# Altium PCB Payload_PCB.PcbDoc
Units mm, origin at the board's own origin, x right, y up, seen from the top; angles counter-clockwise.
Board outline 96 x 96 mm, 4 copper layers (L1 - Top Layer, L2 - GND, L3 - GND, L4 - Bottom Layer), stack 1.586 mm thick; 84 components, 70 nets, 274 pads, 87 vias.
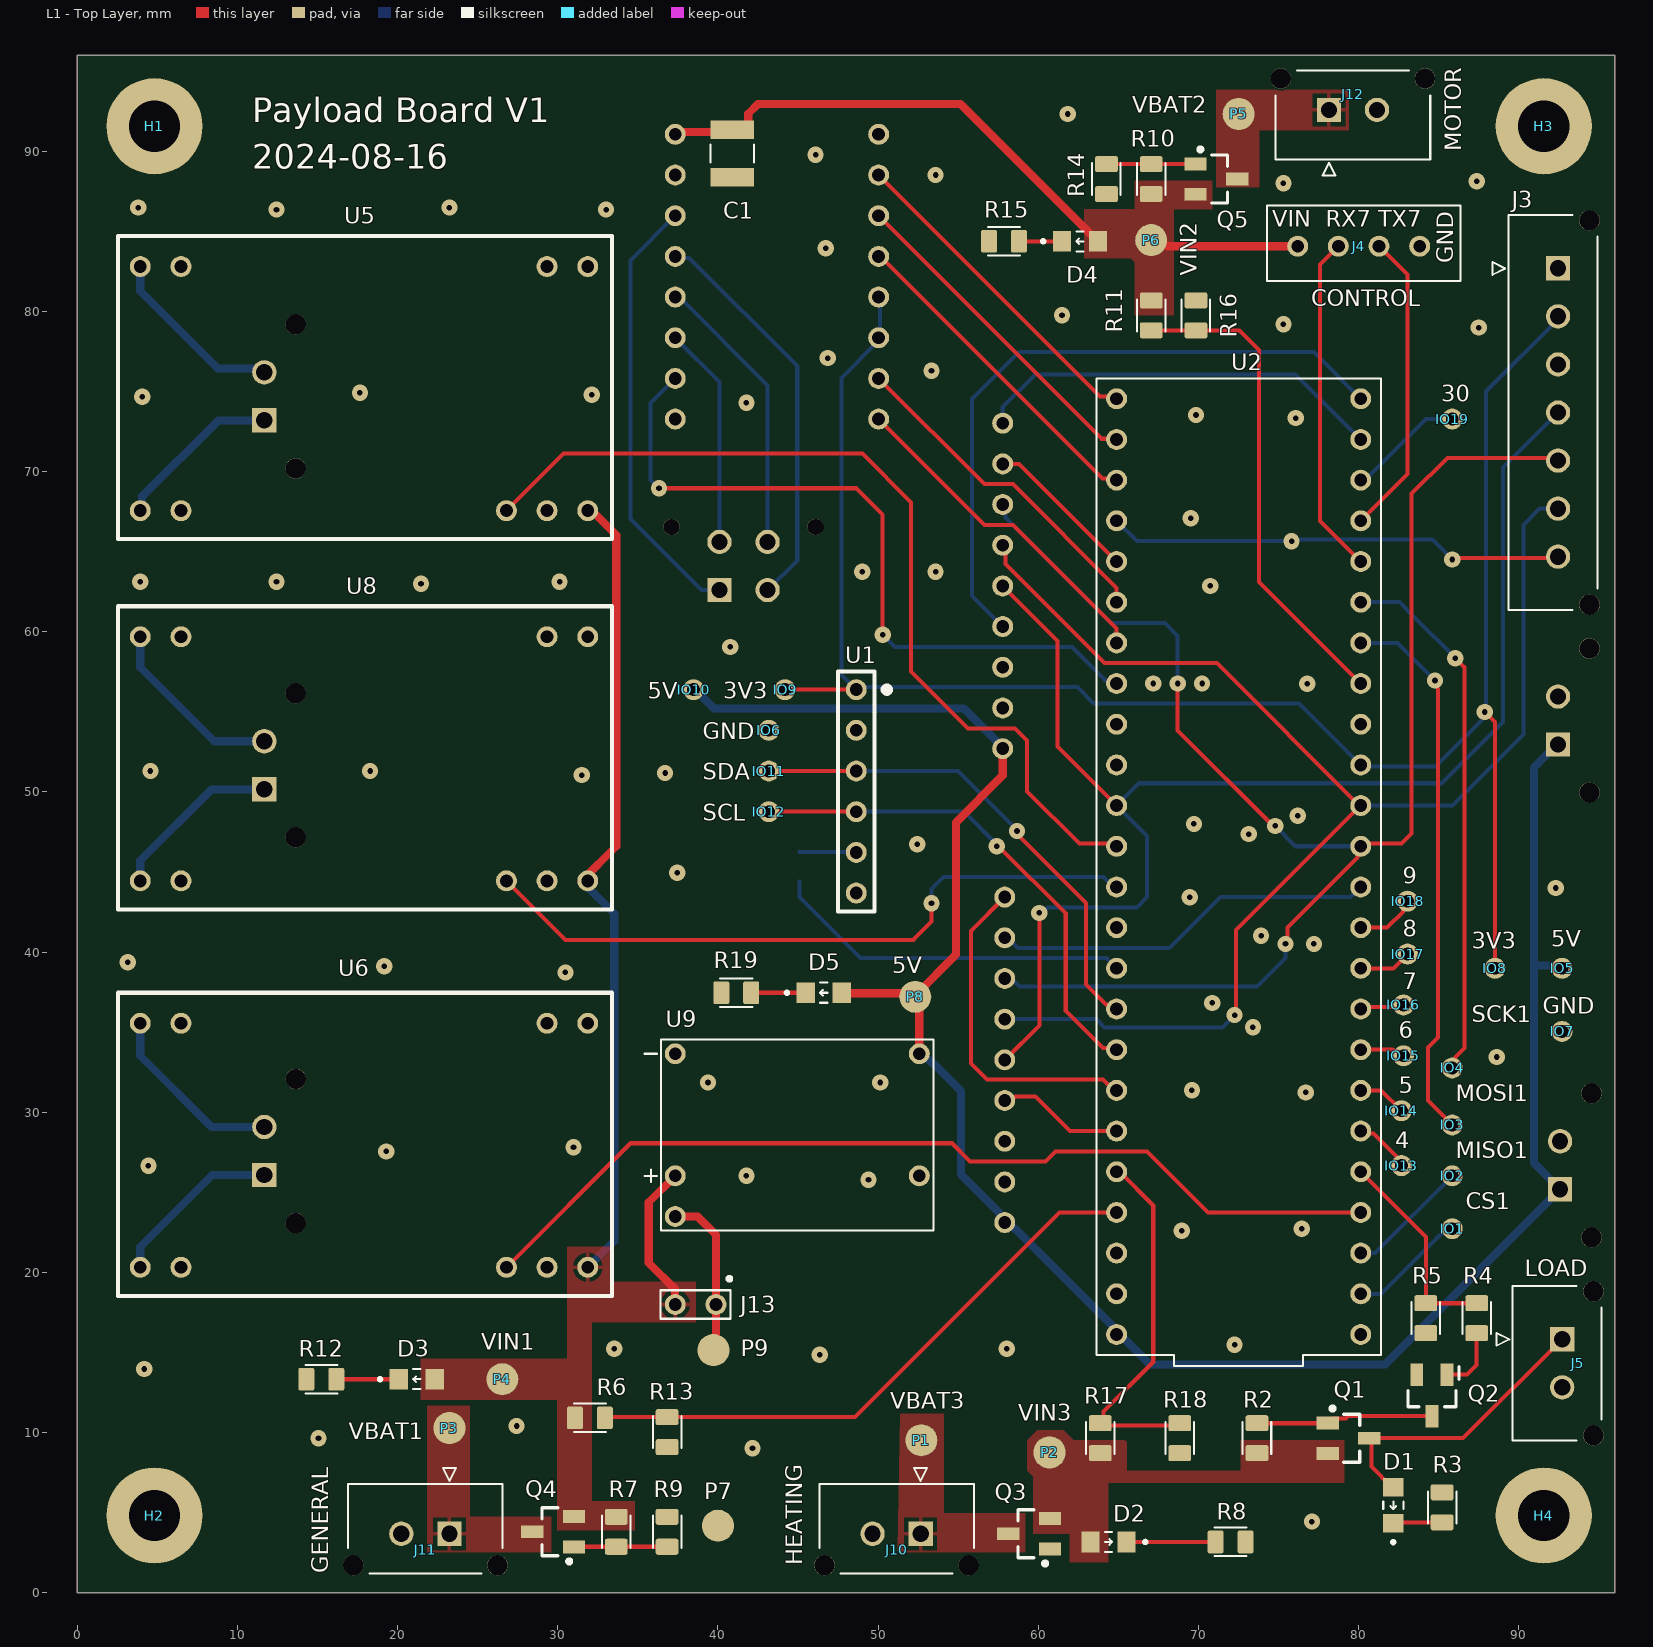
[diagram p0: L1 - Top Layer view]
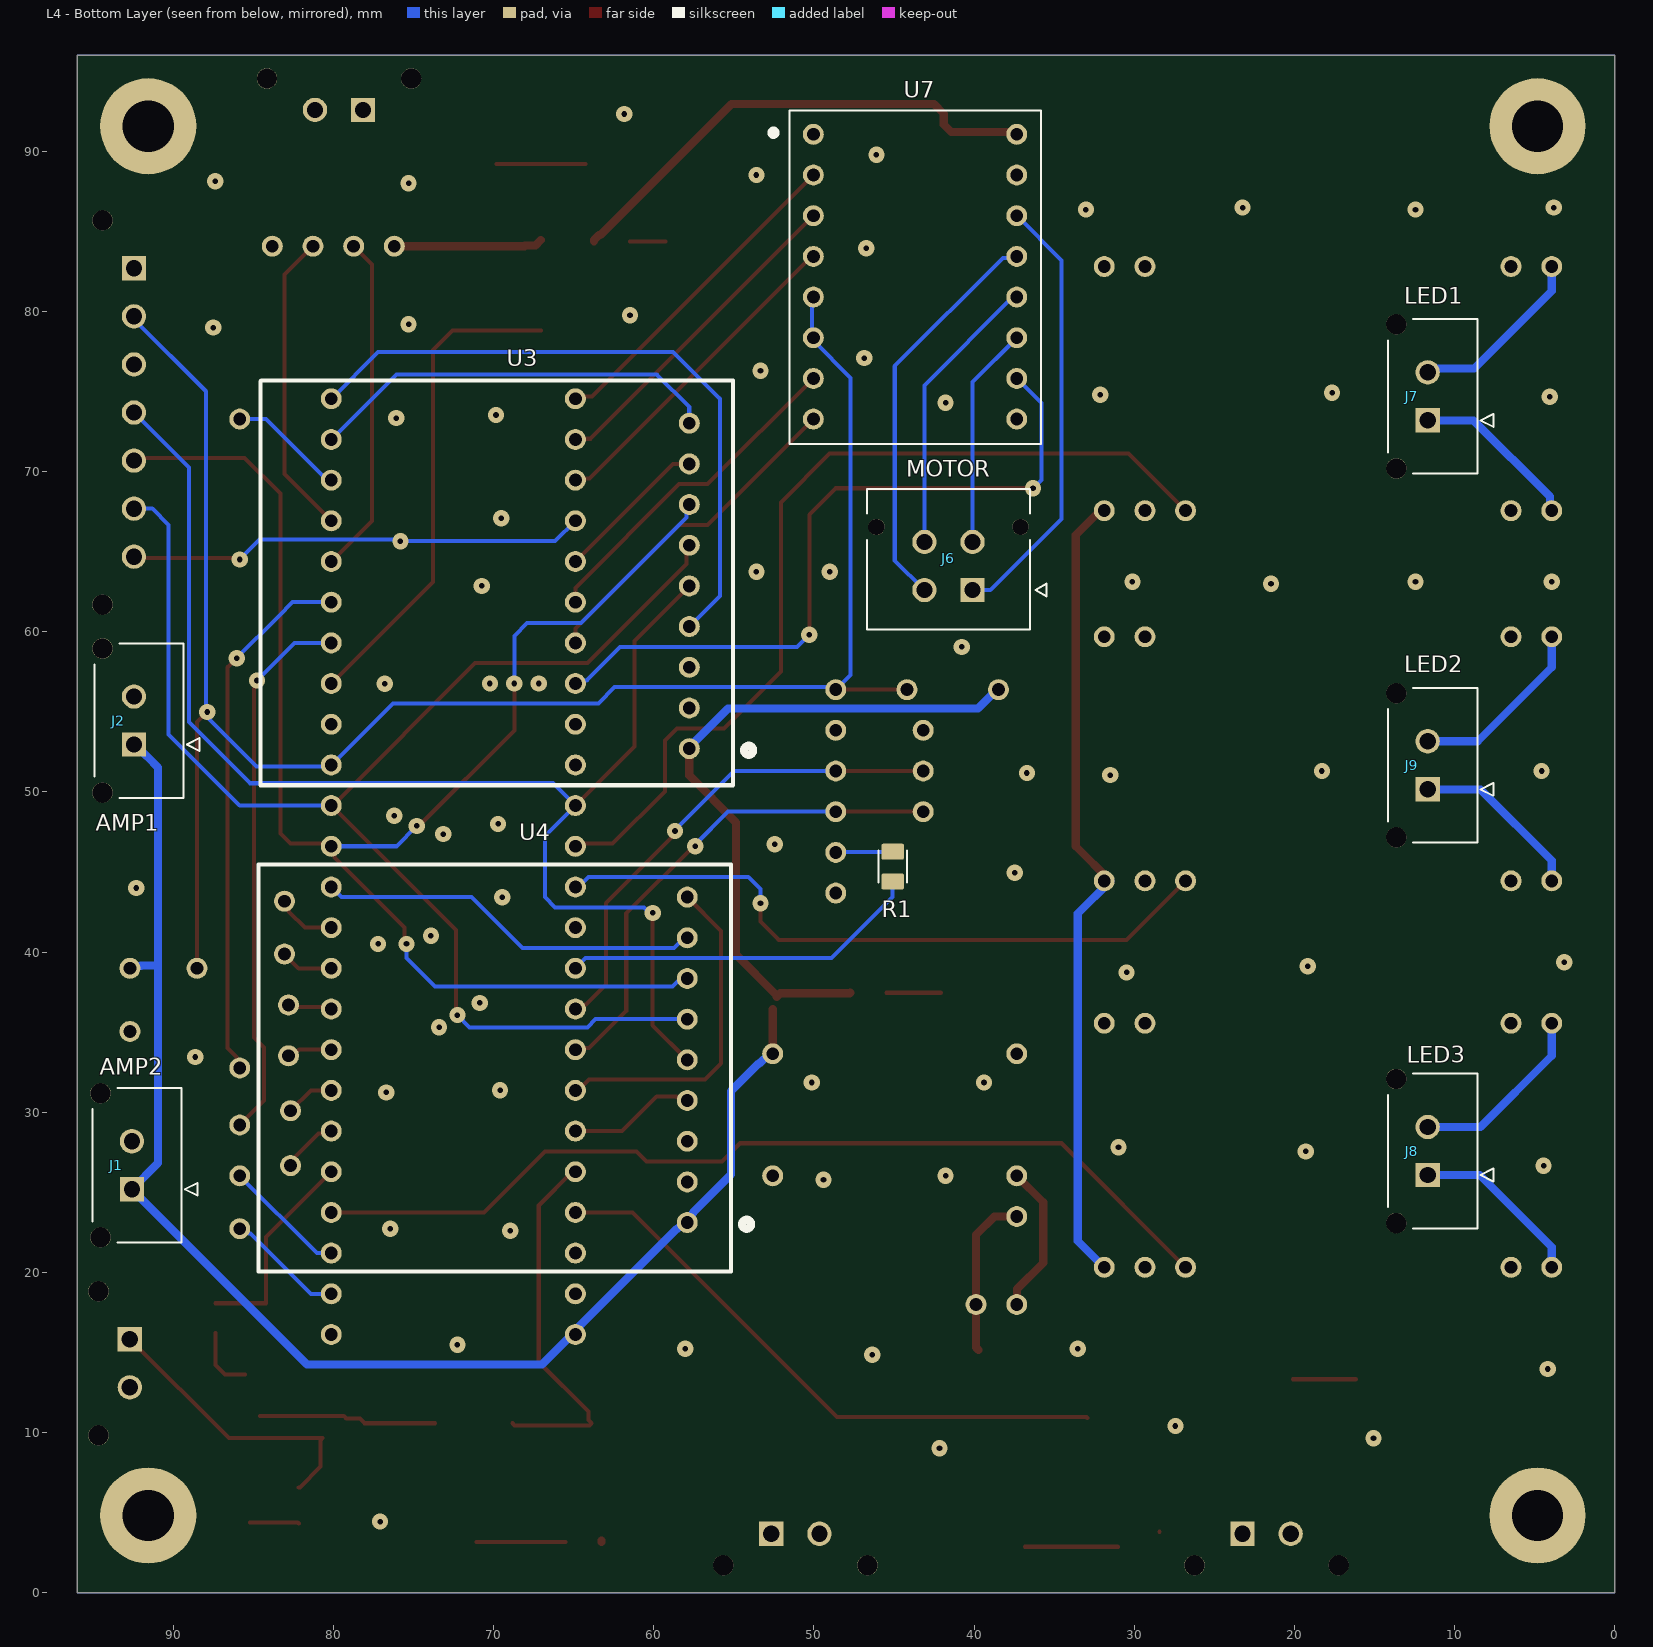
[diagram p1: L4 - Bottom Layer view, seen from below]
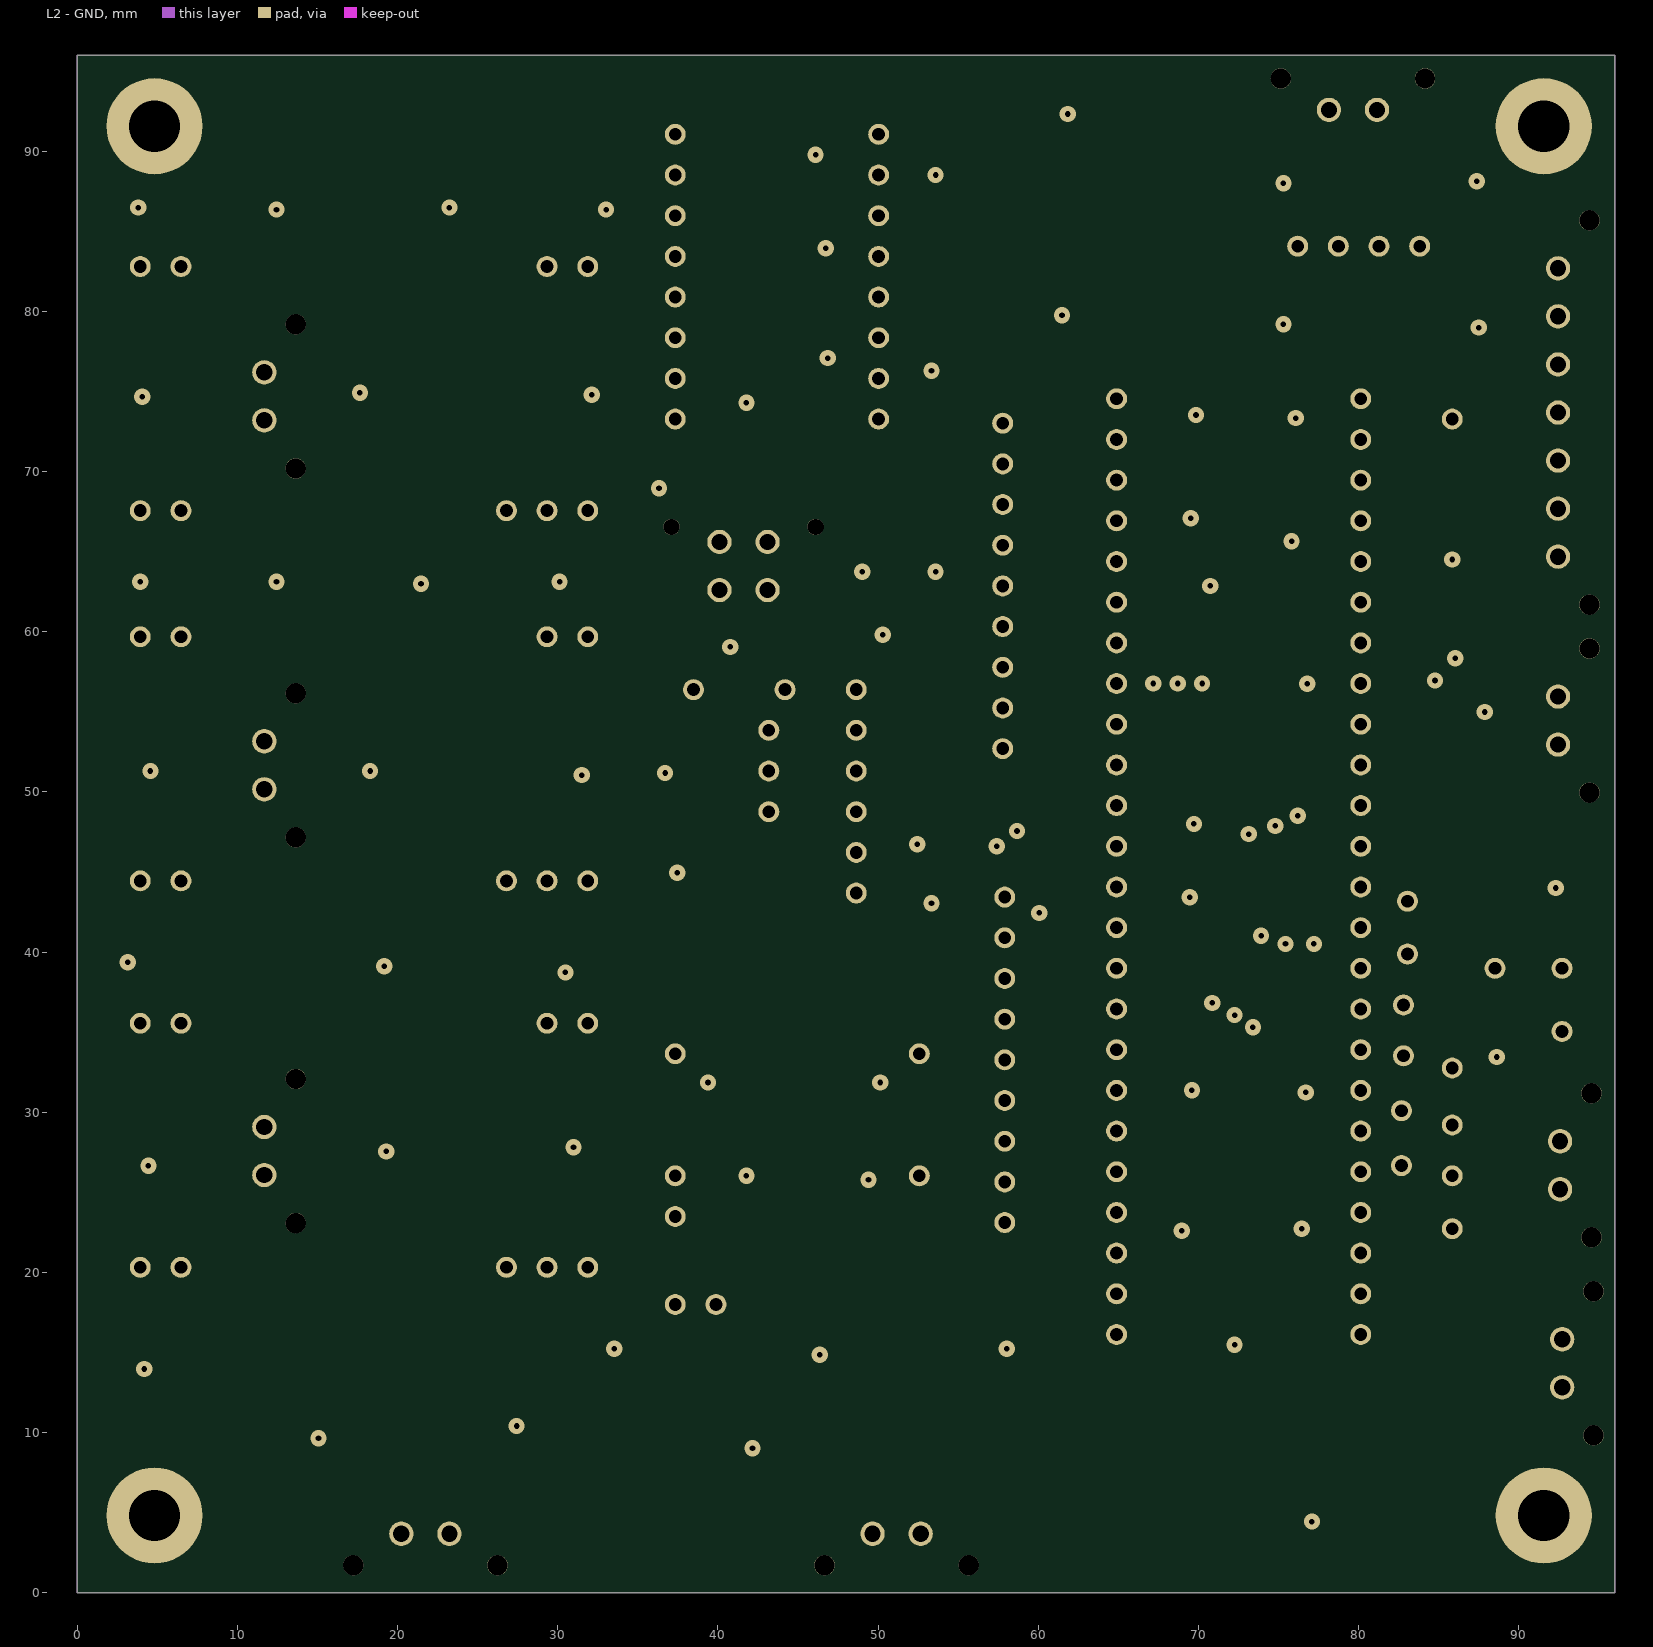
[diagram p2: L2 - GND]
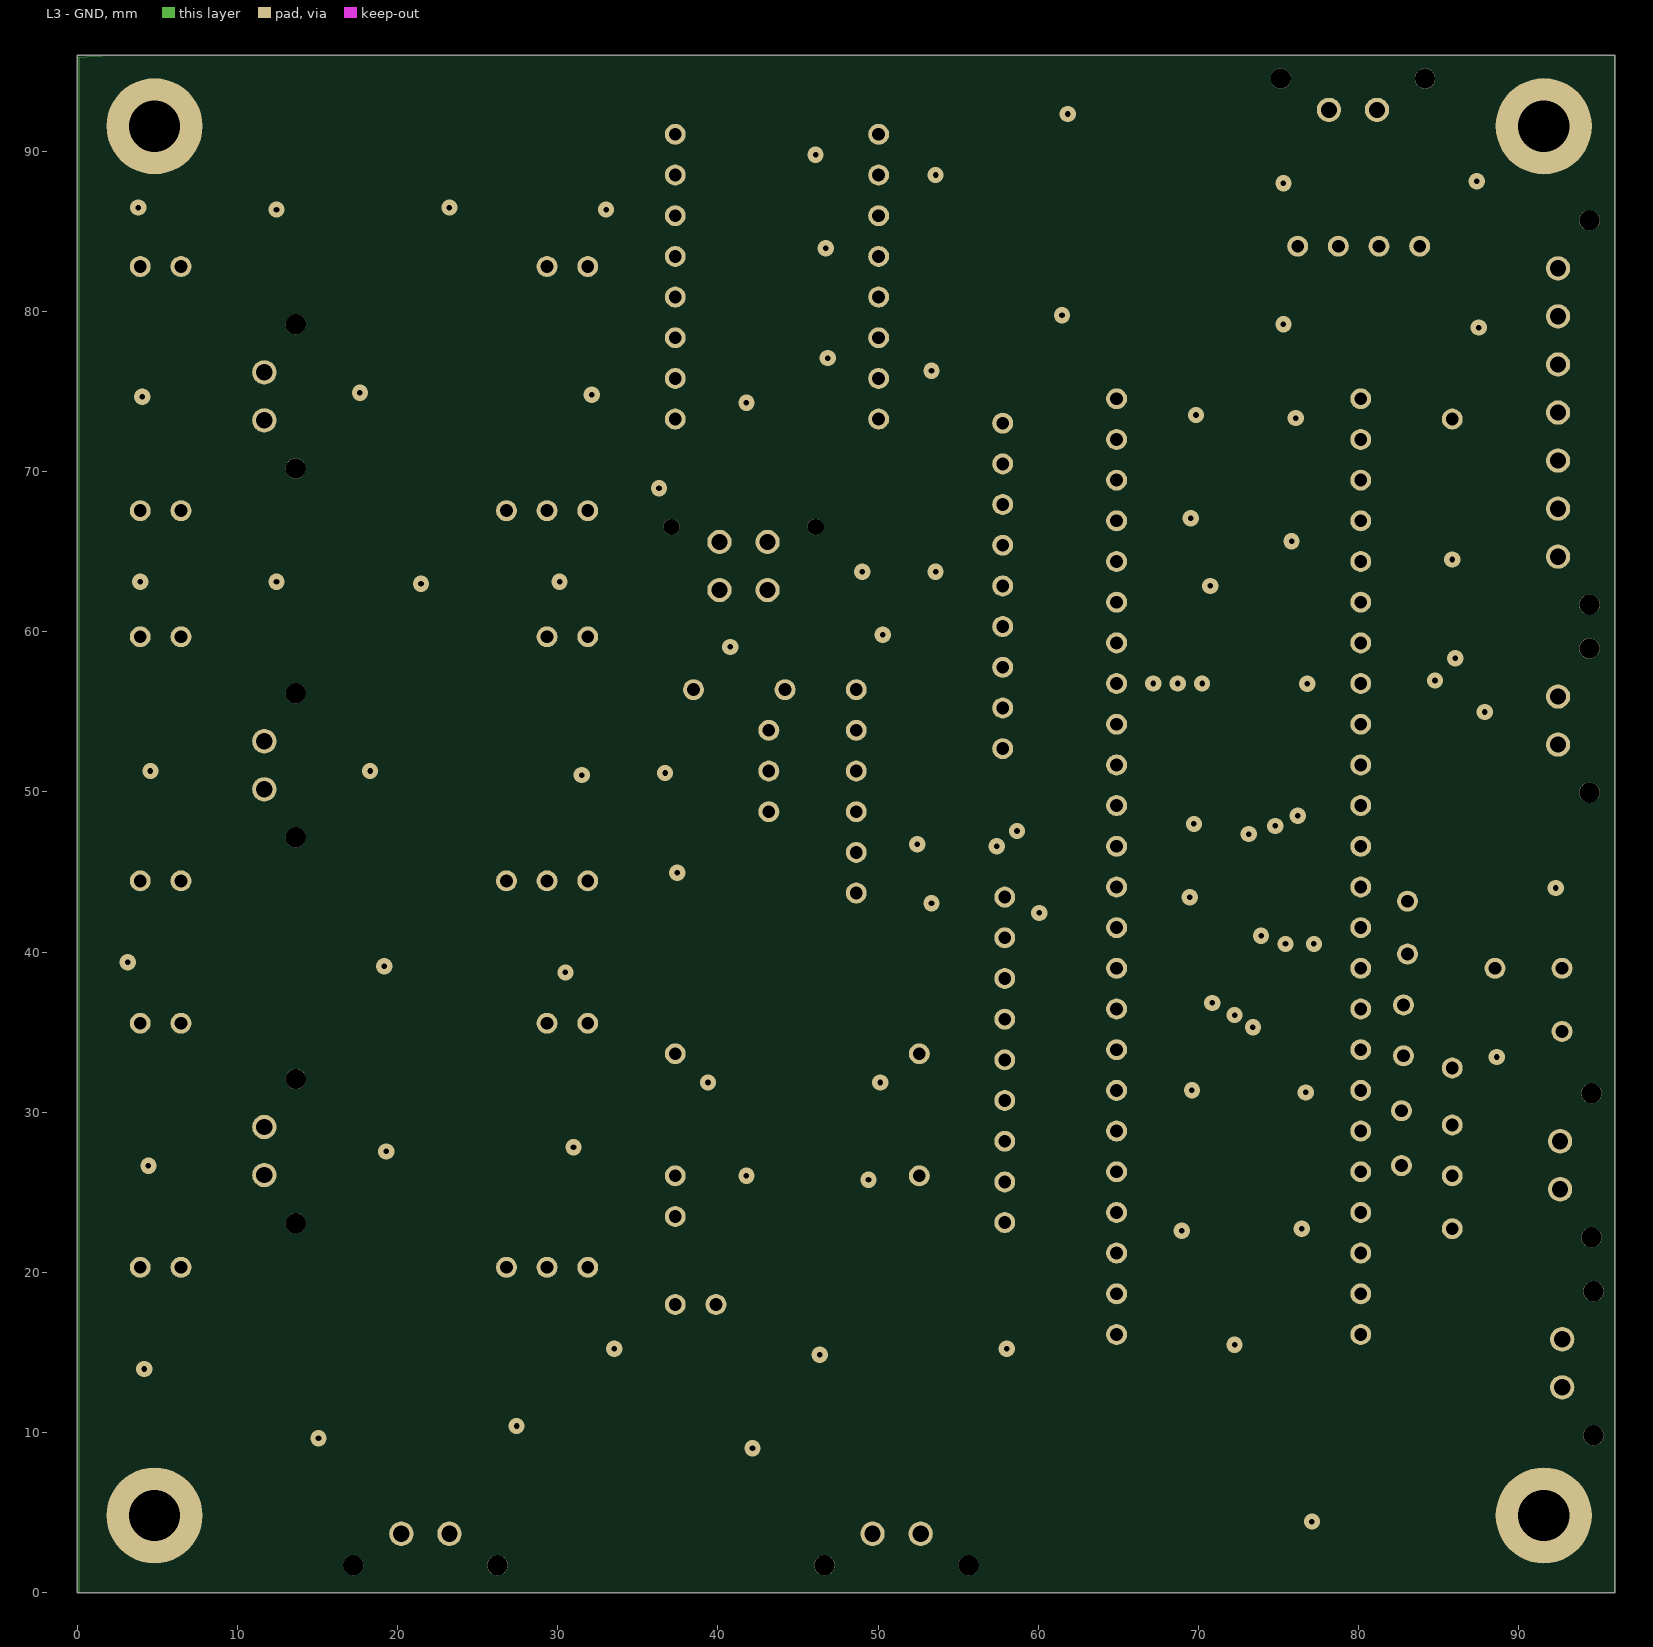
[diagram p3: L3 - GND]
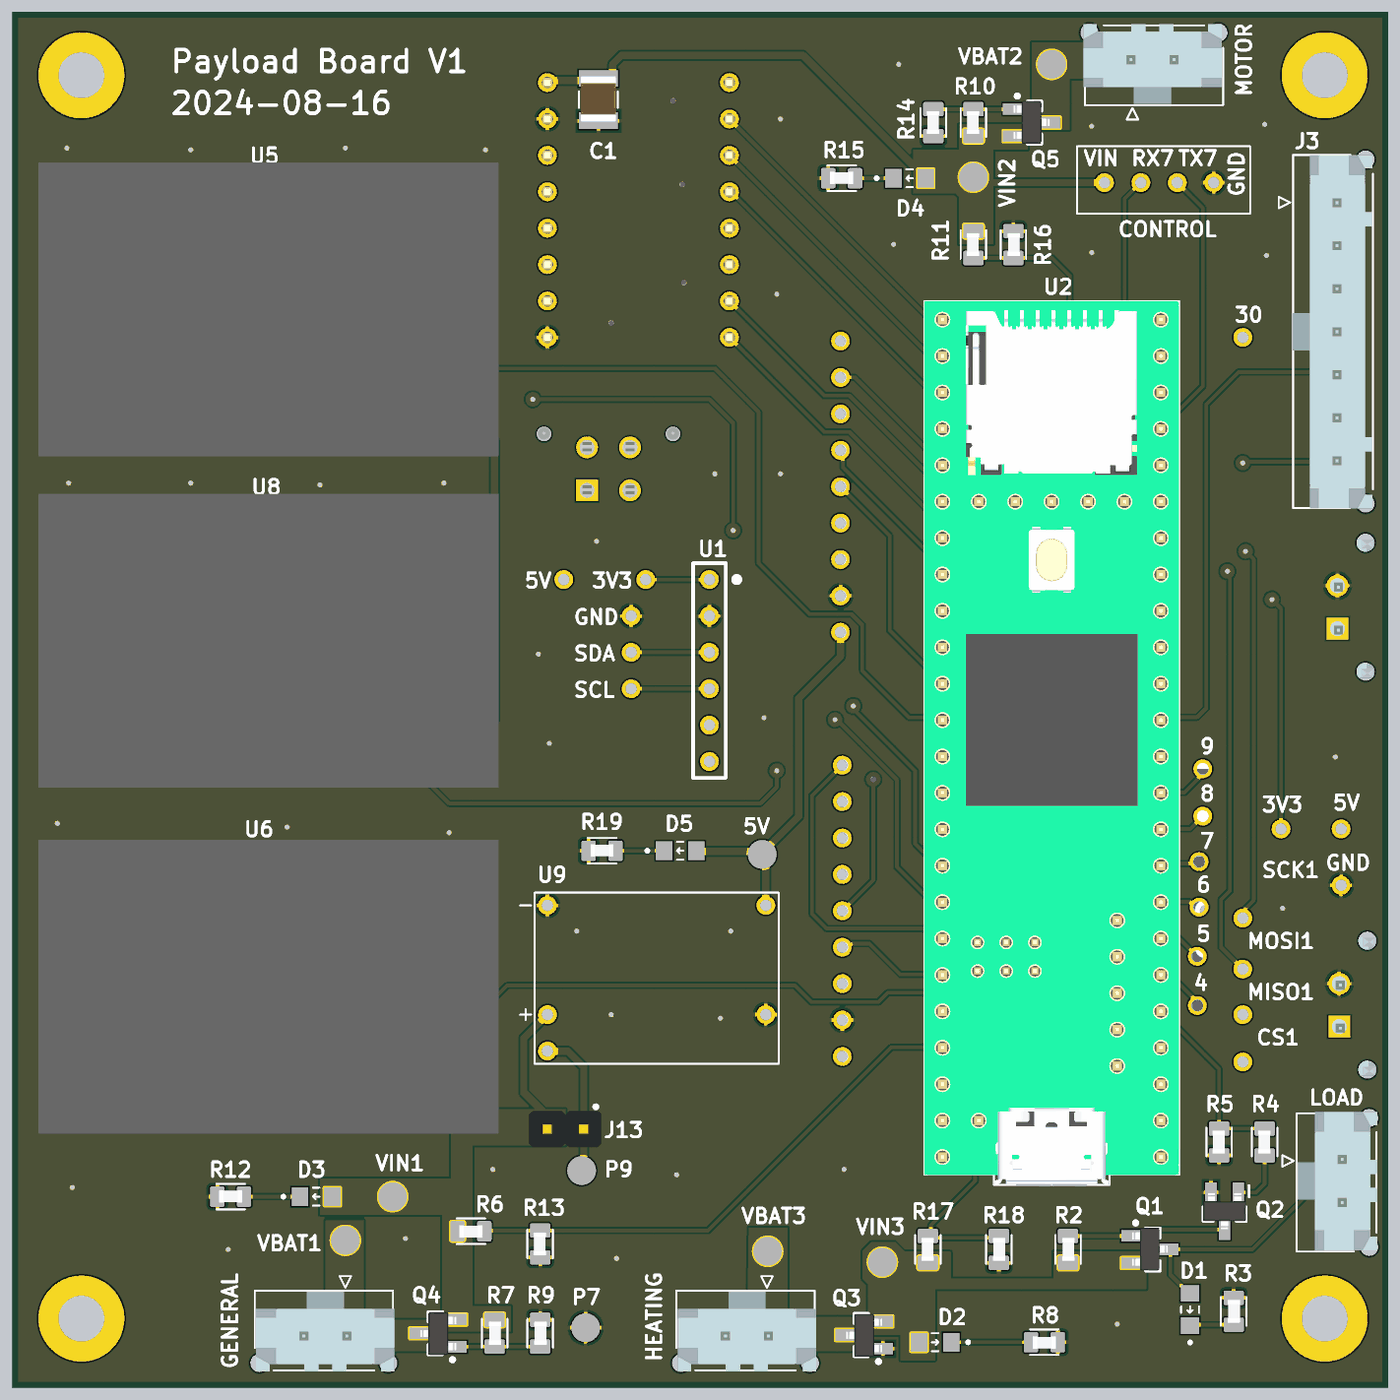
[diagram p4: 3D render of the assembled board from above, using the file's embedded part models]
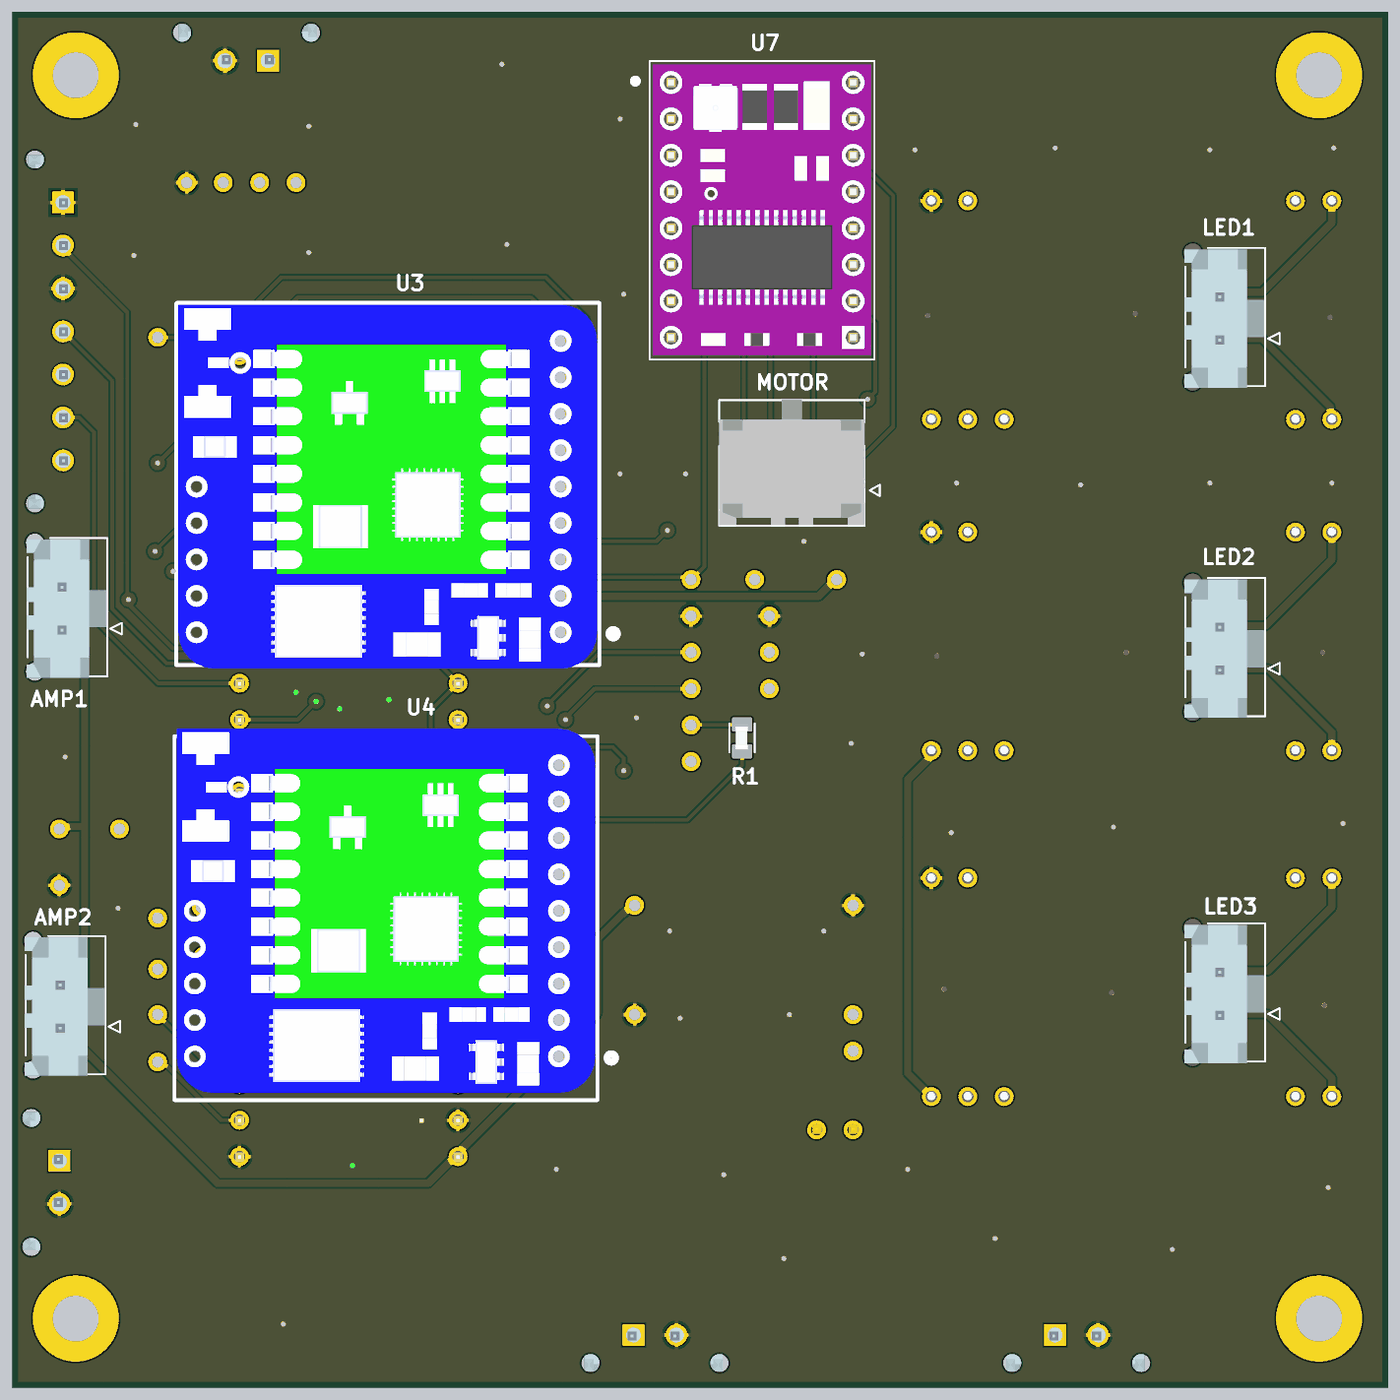
[diagram p5: 3D render of the assembled board from below, using the file's embedded part models]

## Layer stack, top to bottom
Top Solder: solder mask 0.0254, SM-001, Dk 4
L1 - Top Layer: signal copper 0.035
Dielectric 1: prepreg 0.2104, PP-017, Dk 4.4
L2 - GND: signal copper 0.0152
Dielectric 3: core 1.065, Core-039, Dk 4.6
L3 - GND: signal copper 0.0152
Dielectric 5: prepreg 0.2104, PP-017, Dk 4.4
L4 - Bottom Layer: signal copper 0.035
Bottom Solder: solder mask 0.0254, SM-001, Dk 4

## Board outline
0,0 96,0 96,96 0,96
